# Altium PCB Backend_v1.PcbDoc (part 3 of 3)
Units mm, origin at the board's own origin, x right, y up, seen from the top; angles counter-clockwise.
Board outline 100 x 80 mm, 6 copper layers (Top Layer [SIG], Mid Layer 1 [GND], Mid Layer 2 [SIG], Mid Layer 3 [PWR], Mid Layer 4 [GND], Bottom Layer [SIG]), stack 1.597 mm thick; 235 components, 190 nets, 1031 pads, 639 vias.
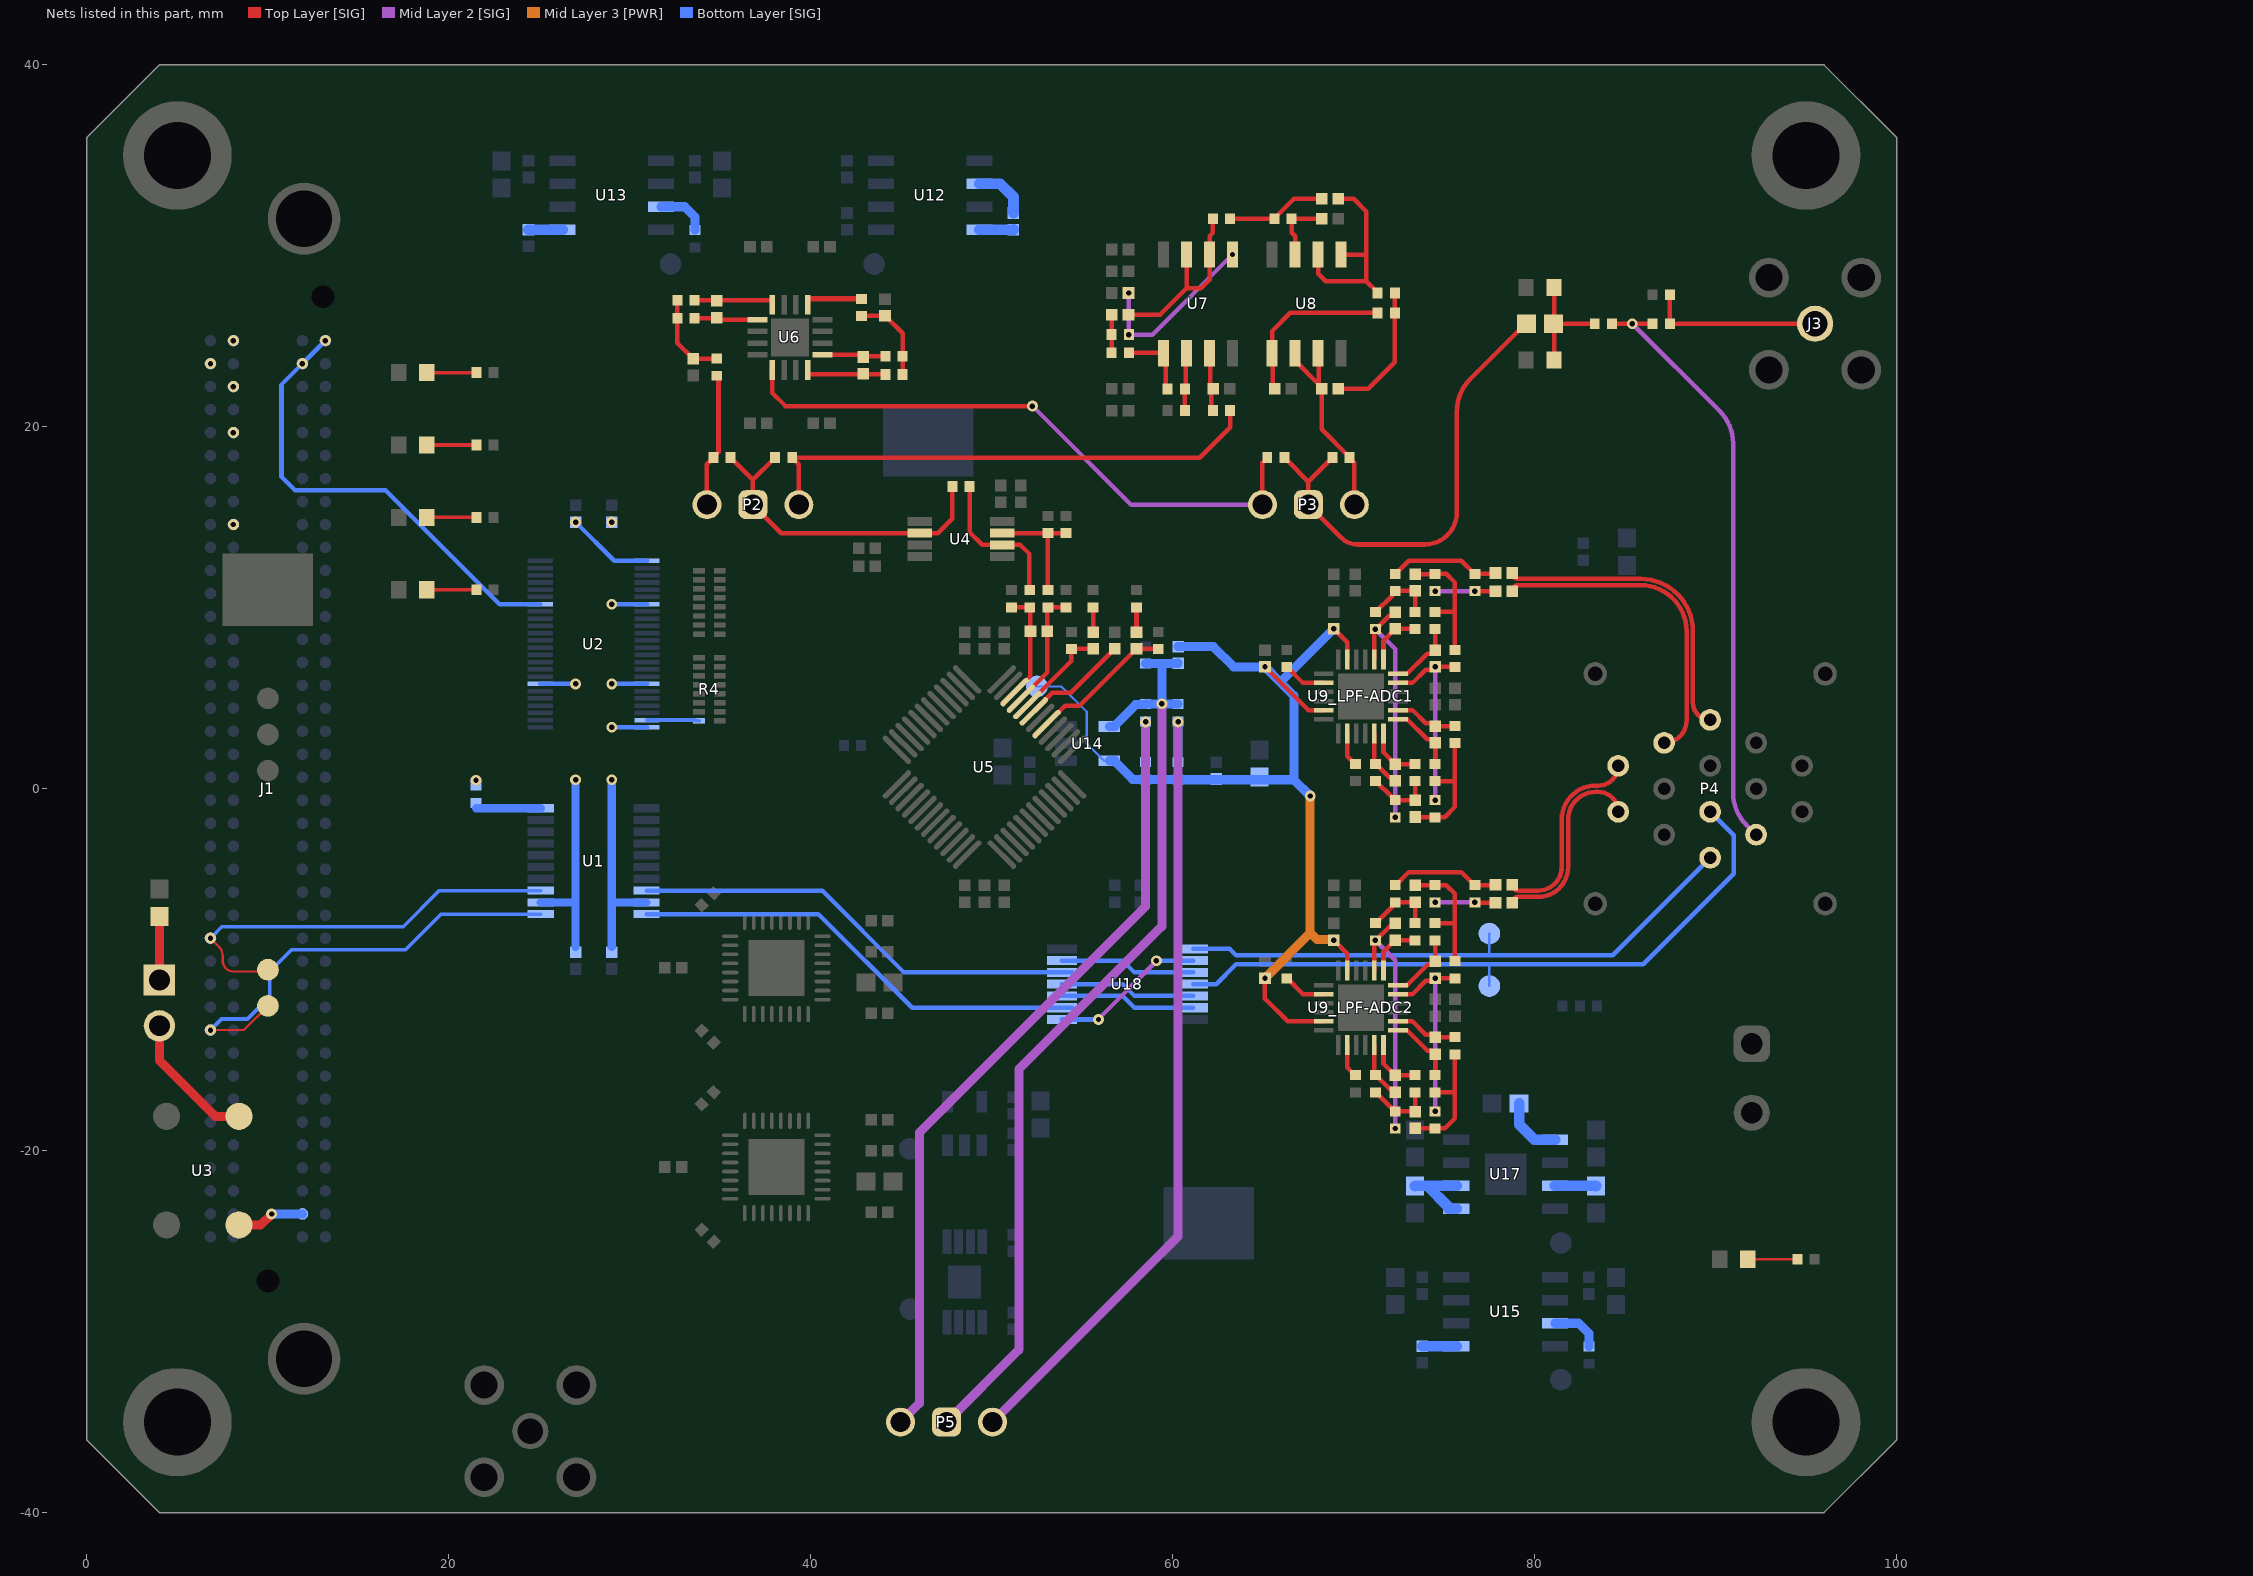
[diagram p7: the nets of this part, all layers, seen from the top]

## Via types
v1: diameter 0.6, hole 0.3, Top Layer [SIG] to Bottom Layer [SIG], tented both sides, 505 vias
v2: diameter 0.45, hole 0.3, Top Layer [SIG] to Bottom Layer [SIG], tented both sides, 43 vias
v3: diameter 0.8, hole 0.4, Top Layer [SIG] to Bottom Layer [SIG], tented both sides, 32 vias
v4: diameter 0.6, hole 0.3, Top Layer [SIG] to Bottom Layer [SIG], tented bottom, 30 vias
v5: diameter 0.5, hole 0.3, Top Layer [SIG] to Bottom Layer [SIG], tented both sides, 20 vias
v6: diameter 0.6, hole 0.3, Top Layer [SIG] to Bottom Layer [SIG], tented top, 8 vias
v7: diameter 0.6, hole 0.3, Top Layer [SIG] to Bottom Layer [SIG], 1 vias

## Nets (pads, with @x,y where several pads share a name; then routed paths per layer and width w, separated by ;. In a path a pad name is that pad's centre, name@x,y a point inside that pad or via, vN(x,y) a via of type N, cw(c..) or ccw(c..) an arc to the next point about the centre after c; other vN are vias at no path point) (continued)
FMC_3V3: C2.1 C4.1 C5.1 J1.C39 J1.D32 J1.D36 J1.D38 J1.D40 P1.1 U1.19 U2.7 U2.18 | length 18.5
  Top Layer [SIG] w0.5: P1.1@4,-10.56 C5.1@4,-7.1
  Bottom Layer [SIG] w0.25: v1(29,5.8) U2.18@30.95,5.8 ; v1(29,10.2) U2.7@30.95,10.2
  Bottom Layer [SIG] w0.45: C2.1@29,-8.75 29,-6.275 ; v1(29,0.5) 29,-6.275 ; U1.19@30.925,-6.275 29,-6.275
  other v1: 8.095,14.605 29,14.74 8.095,19.685 8.095,22.225 6.825,23.495 8.095,24.765
FMC_VADJ: C1.1 C3.1 J1.G39 J1.H40 R1.2 U1.2 U2.1 U2.24 U2.31 U2.42 | length 45.7
  Bottom Layer [SIG] w0.25: v1(13.175,24.765) 10.75,22.34 10.75,17.25 11.5,16.5 16.5,16.5 22.8,10.2 U2.42@25.05,10.2 ; U2.31@25.05,5.8 v1(27,5.8) ; v1(27,14.74) 29.14,12.6 U2.1@30.95,12.6 ; v1(29,3.4) U2.24@30.95,3.4
  Bottom Layer [SIG] w0.45: U1.2@25.075,-6.275 27,-6.275 ; C1.1@27,-8.75 27,-6.275 ; v1(27,0.5) 27,-6.275
  other v1: 21.5,0.475 11.905,23.495
FREF: P4.4 R36.1 R37.1 | length 32.5
  Top Layer [SIG] w0.25: 84.575,25.7 v1(85.4,25.7) 86.225,25.7
  Mid Layer 2 [SIG] w0.25: v1(85.4,25.7) 90.225,20.875 cw(c88.429,19.079) 90.969,19.079 90.969,-0.216 ccw(c93.509,-0.216) 91.713,-2.013 P4.4@92.24,-2.54
I_N: C42_LPF-ADC2.1 P4.10 | length 11.1
  Top Layer [SIG] w0.25: C42_LPF-ADC2.1@78.76,-5.3 ccw(c79.084,-5.3) 79.084,-5.624 80.2,-5.624 ccw(c80.2,-4.324) 81.5,-4.324 81.5,-1.7 cw(c83.377,-1.7) 83.377,0.177 83.527,0.177 ccw(c83.527,1.27) P4.10@84.62,1.27
I_P: C47_LPF-ADC2.1 P4.1 | length 11.1
  Top Layer [SIG] w0.25: C47_LPF-ADC2.1@78.76,-6.3 cw(c79.084,-6.3) 79.084,-5.976 80.2,-5.976 ccw(c80.2,-4.324) 81.852,-4.324 81.852,-1.7 cw(c83.377,-1.7) 83.377,-0.175 83.525,-0.175 cw(c83.525,-1.27) P4.1@84.62,-1.27
NetC6_1: C6.1 R5.2 R8.2 U5.46 | length 6.1
  Top Layer [SIG] w0.25: R8.2@51.1,10.025 R5.2@52.1,10.025 52.12,10.005 52.12,8.72 C6.1@52.14,8.7 52.14,6.228 51.262,5.35 U5.46@51.262,5.337
NetC6_2: C6.2 R6.2 R7.2 U5.45 | length 6.7
  Top Layer [SIG] w0.25: U5.45@51.615,4.983 53.06,6.428 C6.2@53.06,8.7 53.08,8.72 53.08,10.005 R6.2@53.1,10.025 R7.2@54.1,10.025
NetC11_1: C11.1 R13.2 U5.41 | length 7.9
  Top Layer [SIG] w0.25: U5.41@53.029,3.569 54.061,4.6 54.86,4.6 C11.1@58,7.74 58.008,7.732 59.192,7.732 R13.2@59.2,7.725
NetC11_2: C11.2 R14.2 | length 1.4
  Top Layer [SIG] w0.25: C11.2@58,8.66 R14.2@58,10.025
NetC12_1: C12.1 R15.2 U5.44 | length 5.5
  Top Layer [SIG] w0.25: U5.44@51.969,4.629 54.4,7.061 R15.2@54.4,7.575 ; R15.2@54.4,7.725 R15.2@54.4,7.575 ; C12.1@55.6,7.74 54.575,7.74 54.575,7.575 R15.2@54.4,7.575
NetC12_2: C12.2 R16.2 | length 1.4
  Top Layer [SIG] w0.25: C12.2@55.6,8.66 R16.2@55.6,10.025
NetC13_1: C13.1 U5.43 | length 5.9
  Top Layer [SIG] w0.25: U5.43@52.322,4.276 53.346,5.3 54.36,5.3 C13.1@56.8,7.74
NetC20_1: C20.1 R21.2 U6.16 | length 4.8
  Top Layer [SIG] w0.25: R21.2@33.575,27 34.8,27 37.85,27 37.875,26.975 U6.16@37.875,26.925 ; U6.16@37.875,26.925 37.85,26.95 U6.16@37.875,26.925 ; U6.16@37.875,26.925 U6.16@37.875,26.75 U6.16@37.875,26.925
NetC20_2: C20.2 R24.2 U6.1 | length 3.5
  Top Layer [SIG] w0.25: R24.2@33.575,26 34.76,26 C20.2@34.8,26.04 34.915,25.925 U6.1@37.05,25.925
NetC21_1: C21.1 R22.2 U6.8 | length 4.6
  Top Layer [SIG] w0.25: U6.8@39.825,23.15 U6.8@39.825,22.975 ; U6.8@39.85,22.95 U6.8@39.825,22.975 ; R22.2@44.125,22.9 39.85,22.9 39.825,22.925 U6.8@39.825,22.975
NetC21_2: C21.2 R26.2 U6.9 | length 3.5
  Top Layer [SIG] w0.25: U6.9@40.65,23.975 42.785,23.975 C21.2@42.9,23.86 42.94,23.9 R26.2@44.125,23.9
NetC22_1: C22.1 R21.1 R23.2 R24.1 | length 4.9
  Top Layer [SIG] w0.25: R21.1@32.625,27 R24.1@32.625,26 32.625,24.635 C22.1@33.5,23.76 ; C22.1@33.6,23.76 33.607,23.767 34.892,23.767 R23.2@34.9,23.775
NetC23_1: C23.1 R22.1 R25.2 R26.1 | length 5
  Top Layer [SIG] w0.25: R25.2@42.8,26.125 42.808,26.133 44.093,26.133 C23.1@44.1,26.14 45.075,25.165 R26.1@45.075,23.9 R22.1@45.075,22.9
NetC28_1: C28.1 R28.2 R29.1 | length 2.1
  Top Layer [SIG] w0.25: R28.2@56.625,24.1 56.633,24.108 56.633,26.193 C28.1@56.64,26.2
NetC28_2: C28.2 R30.1 U7.6 U7.7 | length 10.6
  Top Layer [SIG] w0.25: C28.2@57.56,26.2 59.3,26.2 60.765,27.665 ; U7.7@60.765,29.525 60.765,27.665 ; R30.1@62.225,31.5 62.225,30.733 62.035,30.543 62.035,28.135 61.565,27.665 60.765,27.665
NetC29_1: C29.1 R30.2 R31.1 | length 5.5
  Top Layer [SIG] w0.25: R30.2@63.175,31.5 R31.1@65.625,31.5 65.625,31.525 66.7,32.6 C29.1@68.24,32.6
NetC29_2: C29.2 R32.1 U8.1 U8.2 | length 12
  Top Layer [SIG] w0.25: U8.2@68.035,29.525 68.035,28.465 68.45,28.05 70.7,28.05 ; C29.2@69.233,32.528 C29.2@69.16,32.6 70,32.6 70.7,31.9 70.7,29.52 ; U8.1@69.305,29.525 69.31,29.52 70.7,29.52 ; R32.1@71.325,27.4 71.325,27.425 70.7,28.05 ; 70.7,28.05 70.7,29.52
NetC30_1: C30.1 R32.2 R33.1 | length 7.6
  Top Layer [SIG] w0.25: C30.1@69.16,22.1 70.8,22.1 72.275,23.575 R32.2@72.275,27.4
NetC30_2: C30.2 P3.3 R18.2 U8.6 U8.7 | length 11.6
  Top Layer [SIG] w0.25: U8.6@66.765,24.075 66.765,23.65 68.045,22.37 68.045,22.295 C30.2@68.08,22.26 ; C30.2@68.08,22.145 C30.2@68.08,22.26 ; U8.7@68.08,24.03 C30.2@68.08,22.26 ; P3.3@70.04,15.7 70.04,18.01 69.775,18.275 R18.2@69.775,18.3 69.775,18.325 68.24,19.86 C30.2@68.24,22.1 C30.2@68.08,22.26
NetC31_1: C31.1 R27.2 U7.3 | length 3.1
  Top Layer [SIG] w0.25: C31.1@62.08,22.145 U7.3@62.08,24.03 ; R27.2@62.125,20.9 C31.1@62.125,22.1
NetC32_1: C32.1 R29.2 U7.5 | length 9.9
  Mid Layer 2 [SIG] w0.25: v1(57.56,27.4) 57.567,27.393 57.567,25.108 v5(57.575,25.1) 58.88,25.1 v1(63.305,29.525)
NetC33_1: C33.1 R31.2 U8.3 | length 3.7
  Top Layer [SIG] w0.25: U8.3@66.765,29.525 66.765,30.543 66.575,30.733 R31.2@66.575,31.5 C33.1@68.24,31.5
NetC34_1: C34.1 R33.2 U8.5 | length 9.4
  Top Layer [SIG] w0.25: U8.5@65.495,24.075 65.495,25.295 66.5,26.3 R33.2@71.325,26.3 ; C34.1@65.54,22.145 U8.5@65.54,24.03
NetC41_1: C41.1 R36.2 R39.1 R40.2 | length 5.9
  Top Layer [SIG] w0.25: R40.2@81.075,23.7 R39.1@81.075,27.7 ; C41.1@81.1,25.7 83.025,25.7
NetC41_2: C41.2 P3.2 R18.1 R20.2 | length 27
  Top Layer [SIG] w0.25: R20.2@66.175,18.3 66.175,18.275 66.325,18.125 66.35,18.125 67.5,16.975 ; R18.1@68.825,18.3 68.825,18.275 68.675,18.125 68.65,18.125 67.5,16.975 ; C41.2@79.5,25.7 76.444,22.644 ccw(c78.24,20.848) 75.7,20.848 75.7,15.266 cw(c73.934,15.266) 73.934,13.5 70.2,13.5 cw(c70.2,14.707) 69.347,13.853 P3.2@67.5,15.7 67.5,16.975
NetC42_LPF-ADC1_2: C42_LPF-ADC1.2 R45_LPF-ADC1.1 R49_LPF-ADC1.2 | length 6.2
  Top Layer [SIG] w0.25: R45_LPF-ADC1.1@72.3,11.875 72.325,11.875 73.05,12.6 75.95,12.6 76.675,11.875 R49_LPF-ADC1.2@76.7,11.875 ; R49_LPF-ADC1.2@76.707,11.867 R49_LPF-ADC1.2@76.7,11.875 ; C42_LPF-ADC1.2@77.84,11.925 cw(c77.719,12.046) 77.719,11.875 R49_LPF-ADC1.2@76.7,11.875 ; C42_LPF-ADC1.2@77.892,11.967 C42_LPF-ADC1.2@77.9,11.96
NetC42_LPF-ADC2_2: C42_LPF-ADC2.2 R45_LPF-ADC2.1 R49_LPF-ADC2.2 | length 6.1
  Top Layer [SIG] w0.25: R45_LPF-ADC2.1@72.3,-5.325 72.325,-5.325 73.05,-4.6 75.95,-4.6 76.675,-5.325 R49_LPF-ADC2.2@76.7,-5.325 76.708,-5.333 77.793,-5.333 C42_LPF-ADC2.2@77.8,-5.34
NetC43_LPF-ADC1_1: C43_LPF-ADC1.1 R43_LPF-ADC1.2 R52_LPF-ADC1.1 U9_LPF-ADC1.8 | length 14
  Top Layer [SIG] w0.25: U9_LPF-ADC1.8@71.15,7.15 71.15,8.775 v5(71.2,8.825) 71.225,8.825 71.965,9.565 72.105,9.565 C43_LPF-ADC1.1@72.3,9.76
  Mid Layer 2 [SIG] w0.25: v5(71.2,8.825) 72.3,7.725 v5(72.3,-1.575)
NetC43_LPF-ADC1_2: C43_LPF-ADC1.2 R46_LPF-ADC1.2 U9_LPF-ADC1.7 | length 3.1
  Top Layer [SIG] w0.25: U9_LPF-ADC1.7@71.65,7.15 71.65,8.19 C43_LPF-ADC1.2@72.3,8.84 72.307,8.832 73.392,8.832 R46_LPF-ADC1.2@73.4,8.825
NetC43_LPF-ADC2_1: C43_LPF-ADC2.1 R43_LPF-ADC2.2 R52_LPF-ADC2.1 U9_LPF-ADC2.8 | length 14
  Top Layer [SIG] w0.25: U9_LPF-ADC2.8@71.15,-10.05 71.15,-8.425 v5(71.2,-8.375) 71.225,-8.375 71.965,-7.635 72.105,-7.635 C43_LPF-ADC2.1@72.3,-7.44
  Mid Layer 2 [SIG] w0.25: v5(71.2,-8.375) 72.3,-9.475 v5(72.3,-18.775)
NetC43_LPF-ADC2_2: C43_LPF-ADC2.2 R46_LPF-ADC2.2 U9_LPF-ADC2.7 | length 3.1
  Top Layer [SIG] w0.25: U9_LPF-ADC2.7@71.65,-10.05 71.65,-9.01 C43_LPF-ADC2.2@72.3,-8.36 72.308,-8.368 73.393,-8.368 R46_LPF-ADC2.2@73.4,-8.375
NetC44_LPF-ADC1_1: C44_LPF-ADC1.1 R44_LPF-ADC1.2 U9_LPF-ADC1.2 | length 3.5
  Top Layer [SIG] w0.25: U9_LPF-ADC1.2@72.45,4.35 73.25,4.35 73.985,3.615 74.345,3.615 C44_LPF-ADC1.1@74.5,3.46 74.507,3.467 75.592,3.467 R44_LPF-ADC1.2@75.6,3.475
NetC44_LPF-ADC1_2: C44_LPF-ADC1.2 R48_LPF-ADC1.2 U9_LPF-ADC1.1 | length 3.8
  Top Layer [SIG] w0.25: U9_LPF-ADC1.1@72.45,3.85 72.95,3.85 74.065,2.735 74.305,2.735 C44_LPF-ADC1.2@74.5,2.54 R48_LPF-ADC1.2@74.5,1.375
NetC44_LPF-ADC2_1: C44_LPF-ADC2.1 R44_LPF-ADC2.2 U9_LPF-ADC2.2 | length 3.5
  Top Layer [SIG] w0.25: U9_LPF-ADC2.2@72.45,-12.85 73.25,-12.85 73.985,-13.585 74.345,-13.585 C44_LPF-ADC2.1@74.5,-13.74 74.508,-13.733 75.593,-13.733 R44_LPF-ADC2.2@75.6,-13.725
NetC44_LPF-ADC2_2: C44_LPF-ADC2.2 R48_LPF-ADC2.2 U9_LPF-ADC2.1 | length 3.8
  Top Layer [SIG] w0.25: U9_LPF-ADC2.1@72.45,-13.35 72.95,-13.35 74.065,-14.465 74.305,-14.465 C44_LPF-ADC2.2@74.5,-14.66 R48_LPF-ADC2.2@74.5,-15.825
NetC45_LPF-ADC1_1: C45_LPF-ADC1.1 R43_LPF-ADC1.1 R45_LPF-ADC1.2 R46_LPF-ADC1.1 | length 3.9
  Top Layer [SIG] w0.25: R43_LPF-ADC1.1@71.2,9.775 71.225,9.775 72.125,10.675 72.125,10.775 72.275,10.925 R45_LPF-ADC1.2@72.3,10.925 72.307,10.933 73.392,10.933 C45_LPF-ADC1.1@73.4,10.94 R46_LPF-ADC1.1@73.4,9.775
NetC45_LPF-ADC1_2: C45_LPF-ADC1.2 R50_LPF-ADC1.2 R51_LPF-ADC1.1 R54_LPF-ADC1.1 | length 7.2
  Top Layer [SIG] w0.25: C45_LPF-ADC1.2@73.4,11.86 73.407,11.867 74.492,11.867 R50_LPF-ADC1.2@74.5,11.875 75.125,11.875 75.6,11.4 75.6,9.8 ; R51_LPF-ADC1.1@74.5,9.775 75.575,9.775 75.6,9.8 ; R54_LPF-ADC1.1@75.6,7.675 75.6,9.8
NetC45_LPF-ADC2_1: C45_LPF-ADC2.1 R43_LPF-ADC2.1 R45_LPF-ADC2.2 R46_LPF-ADC2.1 | length 3.9
  Top Layer [SIG] w0.25: R43_LPF-ADC2.1@71.2,-7.425 71.225,-7.425 72.125,-6.525 72.125,-6.425 72.275,-6.275 R45_LPF-ADC2.2@72.3,-6.275 72.308,-6.268 73.392,-6.268 C45_LPF-ADC2.1@73.4,-6.26 R46_LPF-ADC2.1@73.4,-7.425
NetC45_LPF-ADC2_2: C45_LPF-ADC2.2 R50_LPF-ADC2.2 R51_LPF-ADC2.1 R54_LPF-ADC2.1 | length 7.2
  Top Layer [SIG] w0.25: C45_LPF-ADC2.2@73.4,-5.34 73.407,-5.333 74.493,-5.333 R50_LPF-ADC2.2@74.5,-5.325 75.125,-5.325 75.6,-5.8 75.6,-7.4 ; R51_LPF-ADC2.1@74.5,-7.425 75.575,-7.425 75.6,-7.4 ; R54_LPF-ADC2.1@75.6,-9.525 75.6,-7.4
NetC46_LPF-ADC1_1: C46_LPF-ADC1.1 R44_LPF-ADC1.1 R47_LPF-ADC1.2 R48_LPF-ADC1.1 | length 7.1
  Top Layer [SIG] w0.25: C46_LPF-ADC1.1@73.4,-1.56 73.407,-1.568 74.492,-1.568 R47_LPF-ADC1.2@74.5,-1.575 74.504,-1.571 75.029,-1.571 75.6,-1 75.6,0.4 ; R48_LPF-ADC1.1@74.5,0.425 75.575,0.425 75.6,0.4 ; R44_LPF-ADC1.1@75.6,2.525 75.6,0.4
NetC46_LPF-ADC1_2: C46_LPF-ADC1.2 R52_LPF-ADC1.2 R53_LPF-ADC1.1 R55_LPF-ADC1.1 | length 3.7
  Top Layer [SIG] w0.25: R55_LPF-ADC1.1@71.2,0.425 71.225,0.425 72.125,-0.475 72.15,-0.475 R52_LPF-ADC1.2@72.3,-0.625 72.307,-0.633 73.392,-0.633 C46_LPF-ADC1.2@73.4,-0.64 R53_LPF-ADC1.1@73.4,0.425
NetC46_LPF-ADC2_1: C46_LPF-ADC2.1 R44_LPF-ADC2.1 R47_LPF-ADC2.2 R48_LPF-ADC2.1 | length 7.1
  Top Layer [SIG] w0.25: C46_LPF-ADC2.1@73.4,-18.76 73.408,-18.768 74.493,-18.768 R47_LPF-ADC2.2@74.5,-18.775 74.504,-18.771 75.029,-18.771 75.6,-18.2 75.6,-16.8 ; R48_LPF-ADC2.1@74.5,-16.775 75.575,-16.775 75.6,-16.8 ; R44_LPF-ADC2.1@75.6,-14.675 75.6,-16.8
NetC46_LPF-ADC2_2: C46_LPF-ADC2.2 R52_LPF-ADC2.2 R53_LPF-ADC2.1 R55_LPF-ADC2.1 | length 3.7
  Top Layer [SIG] w0.25: R55_LPF-ADC2.1@71.2,-16.775 71.225,-16.775 72.125,-17.675 72.15,-17.675 R52_LPF-ADC2.2@72.3,-17.825 72.308,-17.833 73.393,-17.833 C46_LPF-ADC2.2@73.4,-17.84 R53_LPF-ADC2.1@73.4,-16.775
NetC47_LPF-ADC1_2: C47_LPF-ADC1.2 R49_LPF-ADC1.1 R50_LPF-ADC1.1 | length 3.3
  Top Layer [SIG] w0.25: v5(76.7,10.925) C47_LPF-ADC1.2@77.84,10.925
  Mid Layer 2 [SIG] w0.25: v5(74.5,10.925) v5(76.7,10.925)
NetC47_LPF-ADC2_2: C47_LPF-ADC2.2 R49_LPF-ADC2.1 R50_LPF-ADC2.1 | length 3.4
  Top Layer [SIG] w0.25: v5(76.7,-6.275) 76.713,-6.288 77.827,-6.288 C47_LPF-ADC2.2@77.84,-6.3
  Mid Layer 2 [SIG] w0.25: v5(74.5,-6.275) v5(76.7,-6.275)
NetC48_LPF-ADC1_1: C48_LPF-ADC1.1 R47_LPF-ADC1.1 R54_LPF-ADC1.2 U9_LPF-ADC1.5 | length 10.9
  Top Layer [SIG] w0.25: U9_LPF-ADC1.5@72.45,5.85 73.25,5.85 73.985,6.585 74.345,6.585 C48_LPF-ADC1.1@74.5,6.74 74.507,6.733 75.592,6.733 R54_LPF-ADC1.2@75.6,6.725
  Mid Layer 2 [SIG] w0.25: v5(74.5,-0.625) 74.502,-0.623 74.502,6.734 v1(74.504,6.736)
NetC48_LPF-ADC1_2: C48_LPF-ADC1.2 R51_LPF-ADC1.2 U9_LPF-ADC1.6 | length 3.8
  Top Layer [SIG] w0.25: U9_LPF-ADC1.6@72.45,6.35 72.95,6.35 74.065,7.465 74.305,7.465 C48_LPF-ADC1.2@74.5,7.66 R51_LPF-ADC1.2@74.5,8.825
NetC48_LPF-ADC2_1: C48_LPF-ADC2.1 R47_LPF-ADC2.1 R54_LPF-ADC2.2 U9_LPF-ADC2.5 | length 10.9
  Top Layer [SIG] w0.25: U9_LPF-ADC2.5@72.45,-11.35 73.25,-11.35 73.985,-10.615 74.345,-10.615 C48_LPF-ADC2.1@74.5,-10.46 74.508,-10.468 75.593,-10.468 R54_LPF-ADC2.2@75.6,-10.475
  Mid Layer 2 [SIG] w0.25: v5(74.5,-17.825) 74.502,-17.823 74.502,-10.466 v1(74.504,-10.464)
NetC48_LPF-ADC2_2: C48_LPF-ADC2.2 R51_LPF-ADC2.2 U9_LPF-ADC2.6 | length 3.8
  Top Layer [SIG] w0.25: U9_LPF-ADC2.6@72.45,-10.85 72.95,-10.85 74.065,-9.735 74.305,-9.735 C48_LPF-ADC2.2@74.5,-9.54 R51_LPF-ADC2.2@74.5,-8.375
NetC49_LPF-ADC1_1: C49_LPF-ADC1.1 R55_LPF-ADC1.2 U9_LPF-ADC1.23 | length 3.2
  Top Layer [SIG] w0.25: U9_LPF-ADC1.23@71.15,3.05 71.15,1.425 R55_LPF-ADC1.2@71.2,1.375 71.225,1.375 71.965,0.635 72.105,0.635 C49_LPF-ADC1.1@72.3,0.44
NetC49_LPF-ADC1_2: C49_LPF-ADC1.2 R53_LPF-ADC1.2 U9_LPF-ADC1.24 | length 3.1
  Top Layer [SIG] w0.25: U9_LPF-ADC1.24@71.65,3.05 71.65,2.01 C49_LPF-ADC1.2@72.3,1.36 72.307,1.368 73.392,1.368 R53_LPF-ADC1.2@73.4,1.375
NetC49_LPF-ADC2_1: C49_LPF-ADC2.1 R55_LPF-ADC2.2 U9_LPF-ADC2.23 | length 3.2
  Top Layer [SIG] w0.25: U9_LPF-ADC2.23@71.15,-14.15 71.15,-15.775 R55_LPF-ADC2.2@71.2,-15.825 71.225,-15.825 71.965,-16.565 72.105,-16.565 C49_LPF-ADC2.1@72.3,-16.76
NetC49_LPF-ADC2_2: C49_LPF-ADC2.2 R53_LPF-ADC2.2 U9_LPF-ADC2.24 | length 3.1
  Top Layer [SIG] w0.25: U9_LPF-ADC2.24@71.65,-14.15 71.65,-15.19 C49_LPF-ADC2.2@72.3,-15.84 72.307,-15.833 73.392,-15.833 R53_LPF-ADC2.2@73.4,-15.825
NetC65_1: C65.1 U12.2 | length 3.1
  Bottom Layer [SIG] w0.6: U12.2@49.325,33.435 50.465,33.435 51.2,32.7 C65.1@51.2,31.82
NetC65_2: C65.2 U12.4 | length 1.9
  Bottom Layer [SIG] w0.6: U12.4@49.325,30.895 51.195,30.895 C65.2@51.2,30.9
NetC71_1: C71.1 U13.1 | length 1.9
  Bottom Layer [SIG] w0.6: C71.1@24.405,30.895 U13.1@26.275,30.895
NetC74_2: C74.2 P5.2 R61.1 R62.2 R63.2 U14.4 | length 53
  Mid Layer 2 [SIG] w0.5: P5.2@47.5,-35 51.5,-31 51.5,-15.5 59.4,-7.6 v1(59.4,4.7)
  Bottom Layer [SIG] w0.5: U14.4@56.5,3.45 56.8,3.45 56.85,3.5 56.85,3.545 57.955,4.65 58.475,4.65 R61.1@58.5,4.675 ; R63.2@58.5,6.925 58.507,6.932 59.4,6.932 ; R61.1@58.512,4.687 59.387,4.687 v1(59.4,4.7) ; R62.2@60.3,4.675 60.288,4.687 59.413,4.687 v1(59.4,4.7) ; C74.2@60.3,6.94 60.292,6.932 59.4,6.932 ; v1(59.4,4.7) 59.4,6.932
NetC81_1: C81.1 U15.1 | length 1.9
  Bottom Layer [SIG] w0.6: C81.1@73.805,-30.805 U15.1@75.675,-30.805
NetC85_1: C85.1 U17.3 | length 2.3
  Bottom Layer [SIG] w0.6: U17.3@81.125,-21.935 83.385,-21.935 C85.1@83.4,-21.95
NetC86_1: C86.1 U17.1 | length 3.5
  Bottom Layer [SIG] w0.6: C86.1@79.15,-17.4 79.15,-18.55 79.995,-19.395 U17.1@81.125,-19.395
NetC87_1: C87.1 U17.5 U17.6 | length 4.5
  Bottom Layer [SIG] w0.6: C87.1@73.4,-21.95 73.415,-21.935 74.065,-21.935 ; U17.5@75.675,-23.205 75.25,-23.205 75.25,-23.12 74.065,-21.935 ; U17.6@75.675,-21.935 74.065,-21.935
NetJ1_G2: J1.G2 U3.3 | length 3.8
  Top Layer [SIG] w0.5: U3.3@8.4,-24.1 9.6,-24.1 v1(10.2,-23.5)
  Bottom Layer [SIG] w0.5: v1(10.2,-23.5) 10.203,-23.497 11.902,-23.497 J1.G2@11.905,-23.495
NetJ3_1: J3.1 R37.2 R38.2 | length 9.6
  Top Layer [SIG] w0.25: R37.2@87.475,25.7 R38.2@87.475,27.3 ; R37.2@87.5,25.7 J3.1@95.5,25.7
NetLED1_1: LED1.1 R68.1 | length 2.5
  Top Layer [SIG] w0.2: LED1.1@18.775,23 21.225,23
NetLED2_1: LED2.1 R69.1 | length 2.5
  Top Layer [SIG] w0.2: LED2.1@18.775,19 21.225,19
NetLED3_1: LED3.1 R70.1 | length 2.5
  Top Layer [SIG] w0.2: LED3.1@18.775,15 21.225,15
NetLED4_1: LED4.1 R71.1 | length 2.5
  Top Layer [SIG] w0.2: LED4.1@18.775,11 21.225,11